# KiCad board Leopold Replacement.kicad_pcb (continued)
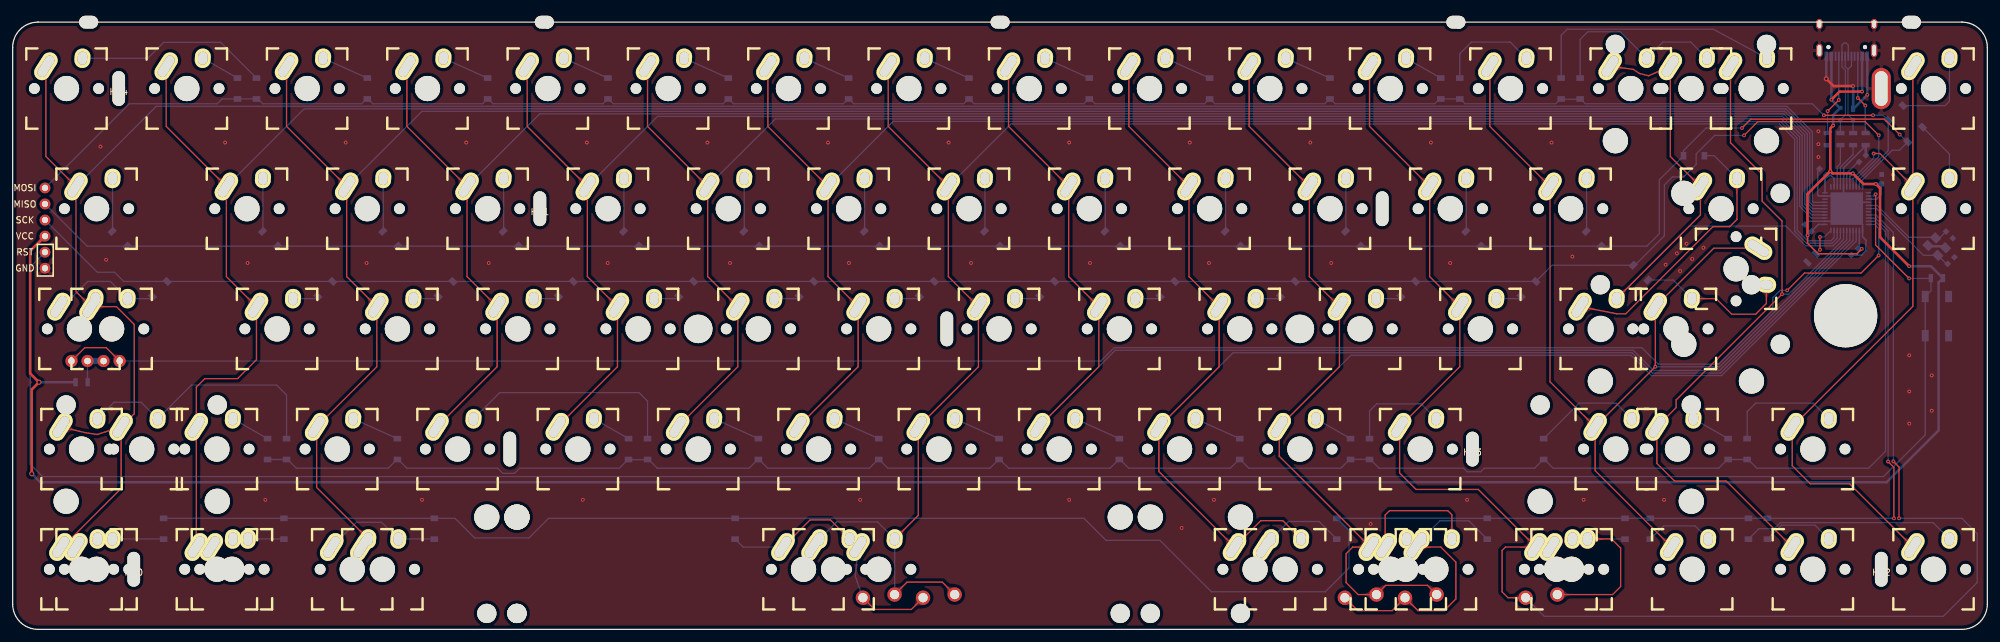
[diagram p0: board, top side]
## Copper pours and planes (outline as drawn; the poured copper is in the pictures) (continued)
Net-(D32-Pad2) on Bottom: 151.16,32.38 151.06,32.42 150.98,32.47 150.9,32.51 150.82,32.56 150.75,32.61 150.69,32.66 150.64,32.71 150.59,32.76 150.54,32.81 150.5,32.86 150.47,32.91 150.43,32.96 150.4,33.02 150.37,33.07 150.16,33.55 150.13,33.62 150.09,33.68 150.05,33.75 150.01,33.82 149.97,33.89 149.92,33.96 149.87,34.03 149.81,34.11 148.28,33.56 148.88,32.06 148.98,32.06 149.07,32.07 149.16,32.08 149.24,32.09 149.32,32.11 149.39,32.12 149.46,32.14 149.53,32.16 150.03,32.32 150.09,32.34 150.15,32.35 150.22,32.36 150.28,32.36 150.35,32.37 150.41,32.37 150.49,32.36 150.56,32.35 150.63,32.34 150.71,32.32 150.8,32.3 150.89,32.27 150.98,32.23 151.08,32.19
Net-(D33-Pad2) on Bottom: 165.42,89.41 165.32,89.45 165.23,89.5 165.15,89.54 165.08,89.59 165.01,89.64 164.95,89.69 164.9,89.74 164.85,89.79 164.8,89.84 164.76,89.89 164.72,89.94 164.69,89.99 164.66,90.05 164.63,90.1 164.41,90.58 164.38,90.65 164.35,90.71 164.31,90.78 164.27,90.85 164.23,90.92 164.18,90.99 164.12,91.06 164.06,91.14 162.53,90.59 163.14,89.09 163.24,89.09 163.33,89.1 163.41,89.11 163.5,89.12 163.57,89.14 163.65,89.15 163.72,89.17 163.79,89.19 164.29,89.35 164.35,89.37 164.41,89.38 164.47,89.39 164.54,89.39 164.6,89.4 164.67,89.4 164.74,89.39 164.82,89.38 164.89,89.37 164.97,89.35 165.06,89.33 165.14,89.3 165.24,89.26 165.34,89.22
Net-(D34-Pad2) on Bottom: 172.71,68.84 172.71,68.94 172.72,69.04 172.73,69.13 172.74,69.22 172.76,69.3 172.78,69.38 172.8,69.45 172.82,69.51 172.85,69.57 172.88,69.63 172.91,69.69 172.95,69.74 172.98,69.79 173.02,69.84 173.37,70.23 173.42,70.29 173.46,70.35 173.51,70.41 173.56,70.47 173.6,70.54 173.65,70.62 173.69,70.7 173.74,70.78 172.61,71.95 171.49,70.78 171.53,70.7 171.57,70.62 171.62,70.54 171.66,70.47 171.71,70.41 171.76,70.35 171.8,70.29 171.85,70.23 172.2,69.84 172.24,69.79 172.27,69.74 172.31,69.69 172.34,69.63 172.37,69.57 172.4,69.51 172.42,69.45 172.44,69.38 172.46,69.3 172.48,69.22 172.49,69.13 172.5,69.04 172.51,68.94 172.51,68.84
Net-(D35-Pad2) on Bottom: 179.85,52.42 179.75,52.42 179.65,52.42 179.55,52.43 179.47,52.45 179.39,52.46 179.31,52.48 179.24,52.5 179.18,52.53 179.11,52.56 179.06,52.59 179,52.62 178.95,52.65 178.9,52.69 178.85,52.73 178.46,53.08 178.4,53.12 178.34,53.17 178.28,53.22 178.22,53.26 178.15,53.31 178.07,53.35 177.99,53.4 177.91,53.44 176.74,52.32 177.91,51.19 177.99,51.23 178.07,51.28 178.15,51.32 178.22,51.37 178.28,51.41 178.34,51.46 178.4,51.51 178.46,51.55 178.85,51.9 178.9,51.94 178.95,51.98 179,52.01 179.06,52.04 179.11,52.07 179.18,52.1 179.24,52.13 179.31,52.15 179.39,52.17 179.47,52.19 179.55,52.2 179.65,52.21 179.75,52.21 179.85,52.22
Net-(D36-Pad2) on Bottom: 170.17,32.38 170.07,32.42 169.99,32.47 169.91,32.51 169.83,32.56 169.76,32.61 169.7,32.66 169.65,32.71 169.6,32.76 169.55,32.81 169.51,32.86 169.48,32.91 169.44,32.96 169.41,33.02 169.38,33.07 169.17,33.55 169.14,33.62 169.1,33.68 169.06,33.75 169.02,33.82 168.98,33.89 168.93,33.96 168.88,34.03 168.82,34.11 167.29,33.56 167.89,32.06 167.99,32.06 168.08,32.07 168.17,32.08 168.25,32.09 168.33,32.11 168.4,32.12 168.47,32.14 168.54,32.16 169.04,32.32 169.1,32.34 169.16,32.35 169.23,32.36 169.29,32.36 169.36,32.37 169.42,32.37 169.5,32.36 169.57,32.35 169.64,32.34 169.72,32.32 169.81,32.3 169.9,32.27 169.99,32.23 170.09,32.19
Net-(D37-Pad2) on Bottom: 184.43,89.41 184.33,89.45 184.24,89.5 184.16,89.54 184.09,89.59 184.02,89.64 183.96,89.69 183.91,89.74 183.86,89.79 183.81,89.84 183.77,89.89 183.73,89.94 183.7,89.99 183.67,90.05 183.64,90.1 183.42,90.58 183.39,90.65 183.36,90.71 183.32,90.78 183.28,90.85 183.24,90.92 183.19,90.99 183.13,91.06 183.07,91.14 181.54,90.59 182.15,89.09 182.25,89.09 182.34,89.1 182.42,89.11 182.51,89.12 182.58,89.14 182.66,89.15 182.73,89.17 182.8,89.19 183.3,89.35 183.36,89.37 183.42,89.38 183.48,89.39 183.55,89.39 183.61,89.4 183.68,89.4 183.75,89.39 183.83,89.38 183.9,89.37 183.98,89.35 184.07,89.33 184.15,89.3 184.25,89.26 184.35,89.22
Net-(D38-Pad2) on Bottom: 191.72,68.84 191.72,68.94 191.73,69.04 191.74,69.13 191.75,69.22 191.77,69.3 191.79,69.38 191.81,69.45 191.83,69.51 191.86,69.57 191.89,69.63 191.92,69.69 191.96,69.74 191.99,69.79 192.03,69.84 192.38,70.23 192.43,70.29 192.47,70.35 192.52,70.41 192.57,70.47 192.61,70.54 192.66,70.62 192.7,70.7 192.75,70.78 191.62,71.95 190.5,70.78 190.54,70.7 190.58,70.62 190.63,70.54 190.67,70.47 190.72,70.41 190.77,70.35 190.81,70.29 190.86,70.23 191.21,69.84 191.25,69.79 191.28,69.74 191.32,69.69 191.35,69.63 191.38,69.57 191.41,69.51 191.43,69.45 191.45,69.38 191.47,69.3 191.49,69.22 191.5,69.13 191.51,69.04 191.52,68.94 191.52,68.84
Net-(D39-Pad2) on Bottom: 198.86,52.42 198.76,52.42 198.66,52.42 198.56,52.43 198.48,52.45 198.4,52.46 198.32,52.48 198.25,52.5 198.19,52.53 198.12,52.56 198.07,52.59 198.01,52.62 197.96,52.65 197.91,52.69 197.86,52.73 197.47,53.08 197.41,53.12 197.35,53.17 197.29,53.22 197.23,53.26 197.16,53.31 197.08,53.35 197,53.4 196.92,53.44 195.75,52.32 196.92,51.19 197,51.23 197.08,51.28 197.16,51.32 197.23,51.37 197.29,51.41 197.35,51.46 197.41,51.51 197.47,51.55 197.86,51.9 197.91,51.94 197.96,51.98 198.01,52.01 198.07,52.04 198.12,52.07 198.19,52.1 198.25,52.13 198.32,52.15 198.4,52.17 198.48,52.19 198.56,52.2 198.66,52.21 198.76,52.21 198.86,52.22
Net-(D40-Pad2) on Bottom: 189.18,32.38 189.08,32.42 189,32.47 188.92,32.51 188.84,32.56 188.77,32.61 188.71,32.66 188.66,32.71 188.61,32.76 188.56,32.81 188.52,32.86 188.49,32.91 188.45,32.96 188.42,33.02 188.39,33.07 188.18,33.55 188.15,33.62 188.11,33.68 188.07,33.75 188.03,33.82 187.99,33.89 187.94,33.96 187.89,34.03 187.83,34.11 186.3,33.56 186.9,32.06 187,32.06 187.09,32.07 187.18,32.08 187.26,32.09 187.34,32.11 187.41,32.12 187.48,32.14 187.55,32.16 188.05,32.32 188.11,32.34 188.17,32.35 188.24,32.36 188.3,32.36 188.37,32.37 188.43,32.37 188.51,32.36 188.58,32.35 188.65,32.34 188.73,32.32 188.82,32.3 188.91,32.27 189,32.23 189.1,32.19
Net-(D41-Pad2) on Bottom: 203.44,89.41 203.34,89.45 203.25,89.5 203.17,89.54 203.1,89.59 203.03,89.64 202.97,89.69 202.92,89.74 202.87,89.79 202.82,89.84 202.78,89.89 202.74,89.94 202.71,89.99 202.68,90.05 202.65,90.1 202.43,90.58 202.4,90.65 202.37,90.71 202.33,90.78 202.29,90.85 202.25,90.92 202.2,90.99 202.14,91.06 202.08,91.14 200.55,90.59 201.16,89.09 201.26,89.09 201.35,89.1 201.43,89.11 201.52,89.12 201.59,89.14 201.67,89.15 201.74,89.17 201.81,89.19 202.31,89.35 202.37,89.37 202.43,89.38 202.49,89.39 202.56,89.39 202.62,89.4 202.69,89.4 202.76,89.39 202.84,89.38 202.91,89.37 202.99,89.35 203.08,89.33 203.16,89.3 203.26,89.26 203.36,89.22
Net-(D42-Pad2) on Bottom: 210.73,68.84 210.73,68.94 210.74,69.04 210.75,69.13 210.76,69.22 210.78,69.3 210.8,69.38 210.82,69.45 210.84,69.51 210.87,69.57 210.9,69.63 210.93,69.69 210.97,69.74 211,69.79 211.04,69.84 211.39,70.23 211.44,70.29 211.48,70.35 211.53,70.41 211.58,70.47 211.62,70.54 211.67,70.62 211.71,70.7 211.75,70.78 210.63,71.95 209.5,70.78 209.55,70.7 209.59,70.62 209.64,70.54 209.68,70.47 209.73,70.41 209.78,70.35 209.82,70.29 209.87,70.23 210.22,69.84 210.26,69.79 210.29,69.74 210.33,69.69 210.36,69.63 210.39,69.57 210.42,69.51 210.44,69.45 210.46,69.38 210.48,69.3 210.5,69.22 210.51,69.13 210.52,69.04 210.53,68.94 210.53,68.84
Net-(D43-Pad2) on Bottom: 217.87,52.42 217.77,52.42 217.67,52.42 217.57,52.43 217.49,52.45 217.41,52.46 217.33,52.48 217.26,52.5 217.2,52.53 217.13,52.56 217.08,52.59 217.02,52.62 216.97,52.65 216.92,52.69 216.87,52.73 216.48,53.08 216.42,53.12 216.36,53.17 216.3,53.22 216.24,53.26 216.17,53.31 216.09,53.35 216.01,53.4 215.93,53.44 214.76,52.32 215.93,51.19 216.01,51.23 216.09,51.28 216.17,51.32 216.24,51.37 216.3,51.41 216.36,51.46 216.42,51.51 216.48,51.55 216.87,51.9 216.92,51.94 216.97,51.98 217.02,52.01 217.08,52.04 217.13,52.07 217.2,52.1 217.26,52.13 217.33,52.15 217.41,52.17 217.49,52.19 217.57,52.2 217.67,52.21 217.77,52.21 217.87,52.22
Net-(D44-Pad2) on Bottom: 208.09,32.16 208,32.21 207.91,32.26 207.84,32.32 207.77,32.37 207.71,32.43 207.65,32.48 207.6,32.53 207.56,32.59 207.52,32.64 207.48,32.7 207.45,32.75 207.42,32.81 207.39,32.87 207.37,32.93 207.2,33.42 207.18,33.49 207.15,33.56 207.12,33.63 207.09,33.7 207.05,33.78 207.01,33.85 206.96,33.93 206.91,34.01 205.34,33.62 205.79,32.06 205.89,32.05 205.98,32.05 206.06,32.05 206.15,32.06 206.23,32.07 206.3,32.08 206.38,32.09 206.45,32.1 206.96,32.21 207.02,32.22 207.08,32.22 207.15,32.23 207.21,32.23 207.28,32.23 207.35,32.22 207.42,32.21 207.49,32.19 207.56,32.17 207.64,32.15 207.72,32.11 207.81,32.08 207.9,32.03 207.99,31.98
Net-(D45-Pad2) on Bottom: 222.35,89.19 222.25,89.24 222.17,89.29 222.1,89.35 222.03,89.4 221.97,89.46 221.91,89.51 221.86,89.56 221.81,89.62 221.77,89.67 221.74,89.73 221.71,89.78 221.68,89.84 221.65,89.9 221.63,89.96 221.46,90.45 221.44,90.52 221.41,90.59 221.38,90.66 221.35,90.73 221.31,90.81 221.27,90.88 221.22,90.96 221.17,91.04 219.59,90.65 220.05,89.09 220.14,89.08 220.24,89.08 220.32,89.08 220.41,89.09 220.48,89.1 220.56,89.11 220.63,89.12 220.71,89.13 221.22,89.24 221.28,89.25 221.34,89.25 221.41,89.26 221.47,89.26 221.54,89.26 221.6,89.25 221.67,89.24 221.75,89.22 221.82,89.2 221.9,89.18 221.98,89.14 222.06,89.11 222.15,89.06 222.25,89.01
Net-(D46-Pad2) on Bottom: 229.74,68.84 229.74,68.94 229.75,69.04 229.76,69.13 229.77,69.22 229.79,69.3 229.81,69.38 229.83,69.45 229.85,69.51 229.88,69.57 229.91,69.63 229.94,69.69 229.98,69.74 230.01,69.79 230.05,69.84 230.4,70.23 230.45,70.29 230.49,70.35 230.54,70.41 230.59,70.47 230.63,70.54 230.68,70.62 230.72,70.7 230.76,70.78 229.64,71.95 228.51,70.78 228.56,70.7 228.6,70.62 228.65,70.54 228.69,70.47 228.74,70.41 228.79,70.35 228.83,70.29 228.88,70.23 229.23,69.84 229.27,69.79 229.3,69.74 229.34,69.69 229.37,69.63 229.4,69.57 229.43,69.51 229.45,69.45 229.47,69.38 229.49,69.3 229.51,69.22 229.52,69.13 229.53,69.04 229.54,68.94 229.54,68.84
Net-(D47-Pad2) on Bottom: 236.88,52.42 236.78,52.42 236.68,52.42 236.58,52.43 236.5,52.45 236.42,52.46 236.34,52.48 236.27,52.5 236.21,52.53 236.14,52.56 236.09,52.59 236.03,52.62 235.98,52.65 235.93,52.69 235.88,52.73 235.49,53.08 235.43,53.12 235.37,53.17 235.31,53.22 235.25,53.26 235.18,53.31 235.1,53.35 235.02,53.4 234.94,53.44 233.77,52.32 234.94,51.19 235.02,51.23 235.1,51.28 235.18,51.32 235.25,51.37 235.31,51.41 235.37,51.46 235.43,51.51 235.49,51.55 235.88,51.9 235.93,51.94 235.98,51.98 236.03,52.01 236.09,52.04 236.14,52.07 236.21,52.1 236.27,52.13 236.34,52.15 236.42,52.17 236.5,52.19 236.58,52.2 236.68,52.21 236.78,52.21 236.88,52.22
Net-(D48-Pad2) on Bottom: 223.06,35 223.13,34.92 223.2,34.84 223.25,34.77 223.31,34.7 223.35,34.63 223.39,34.57 223.43,34.5 223.45,34.44 223.48,34.37 223.5,34.31 223.52,34.25 223.53,34.19 223.54,34.12 223.55,34.06 223.58,33.54 223.58,33.47 223.59,33.39 223.6,33.32 223.61,33.24 223.63,33.16 223.65,33.07 223.68,32.99 223.71,32.9 225.33,32.86 225.3,34.49 225.21,34.52 225.12,34.54 225.03,34.56 224.95,34.58 224.87,34.59 224.8,34.6 224.72,34.61 224.65,34.62 224.13,34.65 224.07,34.65 224.01,34.66 223.94,34.68 223.88,34.69 223.82,34.71 223.76,34.74 223.69,34.77 223.63,34.8 223.56,34.84 223.49,34.89 223.42,34.94 223.35,35 223.27,35.06 223.2,35.14
Net-(D49-Pad2) on Bottom: 237.31,92.03 237.39,91.95 237.45,91.87 237.51,91.8 237.56,91.73 237.61,91.66 237.65,91.6 237.68,91.53 237.71,91.47 237.74,91.4 237.76,91.34 237.77,91.28 237.79,91.22 237.8,91.15 237.8,91.09 237.83,90.57 237.84,90.5 237.85,90.42 237.86,90.35 237.87,90.27 237.89,90.19 237.91,90.1 237.93,90.02 237.96,89.93 239.59,89.89 239.56,91.52 239.46,91.55 239.38,91.57 239.29,91.59 239.21,91.61 239.13,91.62 239.06,91.63 238.98,91.64 238.91,91.65 238.39,91.68 238.33,91.68 238.26,91.69 238.2,91.71 238.14,91.72 238.08,91.74 238.01,91.77 237.95,91.8 237.88,91.83 237.82,91.87 237.75,91.92 237.68,91.97 237.61,92.03 237.53,92.09 237.46,92.17
Net-(D50-Pad2) on Bottom: 248.75,68.84 248.75,68.94 248.76,69.04 248.77,69.13 248.78,69.22 248.8,69.3 248.82,69.38 248.84,69.45 248.86,69.51 248.89,69.57 248.92,69.63 248.95,69.69 248.99,69.74 249.02,69.79 249.06,69.84 249.41,70.23 249.46,70.29 249.5,70.35 249.55,70.41 249.6,70.47 249.64,70.54 249.69,70.62 249.73,70.7 249.78,70.78 248.65,71.95 247.53,70.78 247.57,70.7 247.61,70.62 247.66,70.54 247.7,70.47 247.75,70.41 247.8,70.35 247.84,70.29 247.89,70.23 248.24,69.84 248.28,69.79 248.31,69.74 248.35,69.69 248.38,69.63 248.41,69.57 248.44,69.51 248.46,69.45 248.48,69.38 248.5,69.3 248.52,69.22 248.53,69.13 248.54,69.04 248.55,68.94 248.55,68.84
Net-(D51-Pad2) on Top: 267.77,52.42 267.67,52.42 267.57,52.42 267.48,52.43 267.39,52.45 267.31,52.46 267.23,52.48 267.16,52.5 267.1,52.53 267.04,52.56 266.98,52.59 266.92,52.62 266.87,52.65 266.82,52.69 266.77,52.73 266.38,53.08 266.32,53.12 266.26,53.17 266.2,53.22 266.14,53.26 266.07,53.31 265.99,53.35 265.91,53.4 265.83,53.44 264.66,52.32 265.83,51.19 265.91,51.23 265.99,51.28 266.07,51.32 266.14,51.37 266.2,51.41 266.26,51.46 266.32,51.51 266.38,51.55 266.77,51.9 266.82,51.94 266.87,51.98 266.92,52.01 266.98,52.04 267.04,52.07 267.1,52.1 267.16,52.13 267.23,52.15 267.31,52.17 267.39,52.19 267.48,52.2 267.57,52.21 267.67,52.21 267.77,52.22
Net-(D51-Pad2) on Top: 277.16,52.02 277.16,52.13 277.17,52.23 277.18,52.32 277.19,52.4 277.21,52.48 277.22,52.56 277.25,52.63 277.27,52.7 277.3,52.76 277.33,52.82 277.36,52.87 277.4,52.93 277.43,52.98 277.47,53.03 277.82,53.42 277.87,53.47 277.91,53.53 277.96,53.59 278.01,53.66 278.05,53.73 278.1,53.8 278.14,53.88 278.18,53.97 277.06,55.14 275.93,53.97 275.98,53.88 276.02,53.8 276.07,53.73 276.11,53.66 276.16,53.59 276.2,53.53 276.25,53.47 276.3,53.42 276.65,53.03 276.68,52.98 276.72,52.93 276.76,52.87 276.79,52.82 276.82,52.76 276.85,52.7 276.87,52.63 276.89,52.56 276.91,52.48 276.93,52.4 276.94,52.32 276.95,52.23 276.96,52.13 276.96,52.02
Net-(D51-Pad2) on Bottom: 263.45,54.01 263.53,53.93 263.59,53.85 263.65,53.78 263.7,53.71 263.75,53.64 263.79,53.58 263.82,53.51 263.85,53.45 263.88,53.38 263.9,53.32 263.91,53.26 263.92,53.2 263.94,53.13 263.94,53.07 263.97,52.55 263.98,52.48 263.99,52.4 264,52.33 264.01,52.25 264.03,52.17 264.05,52.08 264.07,52 264.1,51.91 265.73,51.87 265.69,53.5 265.6,53.53 265.52,53.55 265.43,53.57 265.35,53.59 265.27,53.6 265.2,53.61 265.12,53.62 265.05,53.63 264.53,53.66 264.46,53.66 264.4,53.67 264.34,53.69 264.28,53.7 264.22,53.72 264.15,53.75 264.09,53.78 264.02,53.81 263.96,53.85 263.89,53.9 263.82,53.95 263.74,54.01 263.67,54.07 263.59,54.15
Net-(D52-Pad2) on Bottom: 253.95,35 254.02,34.92 254.09,34.84 254.15,34.77 254.2,34.7 254.24,34.63 254.28,34.57 254.32,34.5 254.35,34.44 254.37,34.37 254.39,34.31 254.41,34.25 254.42,34.19 254.43,34.12 254.44,34.06 254.47,33.54 254.47,33.47 254.48,33.39 254.49,33.32 254.51,33.24 254.52,33.16 254.54,33.07 254.57,32.99 254.6,32.9 256.22,32.86 256.19,34.49 256.1,34.52 256.01,34.54 255.93,34.56 255.85,34.58 255.77,34.59 255.69,34.6 255.62,34.61 255.54,34.62 255.02,34.65 254.96,34.65 254.9,34.66 254.84,34.68 254.77,34.69 254.71,34.71 254.65,34.74 254.58,34.77 254.52,34.8 254.45,34.84 254.38,34.89 254.31,34.94 254.24,35 254.17,35.06 254.09,35.14
Net-(D53-Pad2) on Bottom: 265.83,92.03 265.9,91.95 265.97,91.87 266.03,91.8 266.08,91.73 266.12,91.66 266.16,91.6 266.2,91.53 266.23,91.47 266.25,91.4 266.27,91.34 266.29,91.28 266.3,91.22 266.31,91.15 266.32,91.09 266.35,90.57 266.35,90.5 266.36,90.42 266.37,90.35 266.39,90.27 266.4,90.19 266.42,90.1 266.45,90.02 266.48,89.93 268.1,89.89 268.07,91.52 267.98,91.55 267.89,91.57 267.81,91.59 267.73,91.61 267.65,91.62 267.57,91.63 267.5,91.64 267.43,91.65 266.9,91.68 266.84,91.68 266.78,91.69 266.72,91.71 266.65,91.72 266.59,91.74 266.53,91.77 266.46,91.8 266.4,91.83 266.33,91.87 266.26,91.92 266.19,91.97 266.12,92.03 266.05,92.09 265.97,92.17
Net-(D53-Pad2) on Bottom: 256.32,92.03 256.4,91.95 256.46,91.87 256.52,91.8 256.57,91.73 256.62,91.66 256.66,91.6 256.69,91.53 256.72,91.47 256.75,91.4 256.77,91.34 256.78,91.28 256.8,91.22 256.81,91.15 256.81,91.09 256.84,90.57 256.85,90.5 256.86,90.42 256.87,90.35 256.88,90.27 256.9,90.19 256.92,90.1 256.94,90.02 256.97,89.93 258.6,89.89 258.57,91.52 258.47,91.55 258.39,91.57 258.3,91.59 258.22,91.61 258.14,91.62 258.07,91.63 257.99,91.64 257.92,91.65 257.4,91.68 257.34,91.68 257.27,91.69 257.21,91.71 257.15,91.72 257.09,91.74 257.02,91.77 256.96,91.8 256.89,91.83 256.83,91.87 256.76,91.92 256.69,91.97 256.62,92.03 256.54,92.09 256.47,92.17
Net-(D53-Pad2) on Bottom: 259.84,92.17 259.77,92.09 259.69,92.03 259.62,91.97 259.55,91.92 259.48,91.87 259.42,91.83 259.35,91.8 259.29,91.77 259.22,91.74 259.16,91.72 259.1,91.71 259.04,91.69 258.97,91.68 258.91,91.68 258.39,91.65 258.32,91.64 258.24,91.63 258.17,91.62 258.09,91.61 258.01,91.59 257.92,91.57 257.84,91.55 257.74,91.52 257.71,89.89 259.34,89.93 259.37,90.02 259.39,90.1 259.41,90.19 259.43,90.27 259.44,90.35 259.45,90.42 259.46,90.5 259.47,90.57 259.5,91.09 259.5,91.15 259.51,91.22 259.53,91.28 259.54,91.34 259.56,91.4 259.59,91.47 259.62,91.53 259.65,91.6 259.69,91.66 259.74,91.73 259.79,91.8 259.85,91.87 259.91,91.95 259.99,92.03
Net-(D54-Pad2) on Top: 250.09,50.67 249.99,50.69 249.89,50.71 249.8,50.74 249.72,50.77 249.64,50.8 249.57,50.83 249.51,50.87 249.45,50.91 249.39,50.95 249.34,50.99 249.29,51.03 249.25,51.07 249.2,51.12 249.16,51.17 248.85,51.58 248.8,51.64 248.75,51.7 248.7,51.75 248.65,51.81 248.59,51.87 248.52,51.93 248.45,51.99 248.38,52.05 247.01,51.17 247.95,49.84 248.04,49.86 248.12,49.89 248.21,49.92 248.28,49.95 248.36,49.99 248.43,50.02 248.49,50.05 248.55,50.09 249,50.36 249.06,50.38 249.12,50.41 249.18,50.43 249.24,50.46 249.3,50.47 249.37,50.49 249.44,50.5 249.51,50.51 249.59,50.51 249.67,50.51 249.76,50.51 249.85,50.5 249.95,50.49 250.05,50.47
Net-(D54-Pad2) on Top: 272.51,68.84 272.51,68.94 272.52,69.04 272.53,69.13 272.54,69.22 272.56,69.3 272.58,69.38 272.6,69.45 272.62,69.51 272.65,69.57 272.68,69.63 272.72,69.69 272.75,69.74 272.79,69.79 272.82,69.84 273.17,70.23 273.22,70.29 273.27,70.35 273.31,70.41 273.36,70.47 273.4,70.54 273.45,70.62 273.49,70.7 273.54,70.78 272.41,71.95 271.29,70.78 271.33,70.7 271.37,70.62 271.42,70.54 271.47,70.47 271.51,70.41 271.56,70.35 271.6,70.29 271.65,70.23 272,69.84 272.04,69.79 272.07,69.74 272.11,69.69 272.14,69.63 272.17,69.57 272.2,69.51 272.22,69.45 272.25,69.38 272.27,69.3 272.28,69.22 272.29,69.13 272.3,69.04 272.31,68.94 272.31,68.84
Net-(D54-Pad2) on Bottom: 270.58,73.02 270.65,72.94 270.72,72.86 270.78,72.79 270.83,72.72 270.88,72.65 270.92,72.59 270.95,72.52 270.98,72.46 271,72.39 271.02,72.33 271.04,72.27 271.05,72.21 271.06,72.14 271.07,72.08 271.1,71.56 271.11,71.49 271.11,71.41 271.13,71.34 271.14,71.26 271.16,71.18 271.18,71.09 271.2,71.01 271.23,70.92 272.85,70.88 272.82,72.51 272.73,72.54 272.64,72.56 272.56,72.58 272.48,72.6 272.4,72.61 272.32,72.62 272.25,72.63 272.18,72.64 271.65,72.67 271.59,72.67 271.53,72.68 271.47,72.7 271.41,72.71 271.34,72.73 271.28,72.76 271.22,72.79 271.15,72.82 271.08,72.86 271.01,72.91 270.94,72.96 270.87,73.02 270.8,73.08 270.72,73.16
Net-(D55-Pad1) on Top: 15.49,43.72 15.54,43.66 15.59,43.61 15.64,43.55 15.68,43.5 15.71,43.45 15.74,43.4 15.77,43.35 15.79,43.3 15.81,43.25 15.83,43.2 15.84,43.15 15.92,42.45 15.93,42.39 15.95,42.33 15.96,42.27 15.98,42.2 16,42.13 17.24,42.11 17.22,43.35 17.15,43.37 17.08,43.39 17.02,43.4 16.96,43.42 16.9,43.43 16.19,43.51 16.15,43.52 16.1,43.54 16.05,43.55 16,43.58 15.95,43.6 15.9,43.64 15.85,43.67 15.8,43.71 15.74,43.75 15.69,43.81 15.63,43.86
Net-(D55-Pad1) on Top: 10.56,43.86 10.5,43.81 10.44,43.75 10.39,43.71 10.34,43.67 10.28,43.64 10.23,43.6 10.18,43.58 10.14,43.55 10.09,43.54 10.04,43.52 9.99,43.51 9.29,43.43 9.23,43.42 9.17,43.4 9.11,43.39 9.04,43.37 8.97,43.35 8.95,42.11 10.18,42.13 10.21,42.2 10.23,42.27 10.24,42.33 10.25,42.39 10.27,42.45 10.34,43.15 10.36,43.2 10.37,43.25 10.39,43.3 10.42,43.35 10.44,43.4 10.47,43.45 10.51,43.5 10.55,43.55 10.59,43.61 10.64,43.66 10.7,43.72
Net-(D55-Pad1) on Bottom: 18.81,42.55 18.73,42.55 18.65,42.55 18.58,42.56 18.51,42.57 18.45,42.58 18.4,42.59 18.34,42.61 18.29,42.63 18.24,42.65 18.2,42.67 18.16,42.69 17.6,43.13 17.55,43.17 17.5,43.2 17.44,43.24 17.38,43.27 17.32,43.3 16.43,42.45 17.32,41.59 17.38,41.62 17.44,41.65 17.5,41.69 17.55,41.72 17.6,41.76 18.16,42.2 18.2,42.22 18.24,42.24 18.29,42.26 18.34,42.28 18.4,42.3 18.45,42.31 18.51,42.32 18.58,42.33 18.65,42.34 18.73,42.34 18.81,42.35
Net-(D55-Pad2) on Bottom: 13.73,42.95 12.24,43.3 11.35,42.45 12.24,41.59 13.73,41.95
Net-(D55-Pad2) on Bottom: 11.92,40.54 11.93,40.62 11.93,40.7 11.94,40.77 11.95,40.83 11.96,40.9 11.97,40.95 11.99,41.01 12.01,41.06 12.03,41.11 12.05,41.15 12.07,41.19 12.51,41.75 12.55,41.8 12.58,41.85 12.62,41.91 12.65,41.97 12.68,42.03 11.82,42.92 10.97,42.03 11,41.97 11.03,41.91 11.07,41.85 11.1,41.8 11.13,41.75 11.58,41.19 11.6,41.15 11.62,41.11 11.64,41.06 11.66,41.01 11.68,40.95 11.69,40.9 11.7,40.83 11.71,40.77 11.72,40.7 11.72,40.62 11.72,40.54
Net-(D55-Pad2) on Bottom: 12.46,41.95 13.95,41.59 14.84,42.45 13.95,43.3 12.46,42.95
Net-(D56-Pad2) on Bottom: 285.09,35 285.16,34.92 285.23,34.84 285.29,34.77 285.34,34.7 285.38,34.63 285.42,34.57 285.46,34.5 285.49,34.44 285.51,34.37 285.53,34.31 285.55,34.25 285.56,34.19 285.57,34.12 285.58,34.06 285.61,33.54 285.61,33.47 285.62,33.39 285.63,33.32 285.65,33.24 285.66,33.16 285.68,33.07 285.71,32.99 285.74,32.9 287.36,32.86 287.33,34.49 287.24,34.52 287.15,34.54 287.07,34.56 286.99,34.58 286.91,34.59 286.83,34.6 286.76,34.61 286.69,34.62 286.16,34.65 286.1,34.65 286.04,34.66 285.98,34.68 285.91,34.69 285.85,34.71 285.79,34.74 285.72,34.77 285.66,34.8 285.59,34.84 285.52,34.89 285.45,34.94 285.38,35 285.31,35.06 285.23,35.14
Net-(D57-Pad2) on Bottom: 274.93,91.43 275.02,91.38 275.1,91.33 275.18,91.27 275.25,91.22 275.31,91.17 275.37,91.12 275.42,91.06 275.47,91.01 275.51,90.96 275.55,90.9 275.58,90.85 275.61,90.79 275.64,90.73 275.66,90.68 275.84,90.19 275.87,90.12 275.9,90.05 275.93,89.98 275.96,89.91 276,89.83 276.05,89.76 276.1,89.68 276.15,89.6 277.71,90.04 277.22,91.58 277.12,91.59 277.03,91.59 276.95,91.58 276.86,91.57 276.78,91.56 276.71,91.55 276.64,91.54 276.56,91.53 276.06,91.4 275.99,91.39 275.93,91.39 275.87,91.38 275.8,91.38 275.74,91.38 275.67,91.38 275.6,91.39 275.53,91.41 275.45,91.43 275.37,91.45 275.29,91.48 275.21,91.52 275.12,91.56 275.02,91.61
Net-(D58-Pad2) on Bottom: 267.74,32.16 267.65,32.21 267.57,32.26 267.49,32.32 267.43,32.37 267.36,32.43 267.31,32.48 267.26,32.53 267.21,32.59 267.17,32.64 267.14,32.7 267.11,32.75 267.08,32.81 267.05,32.87 267.03,32.93 266.86,33.42 266.84,33.49 266.81,33.56 266.78,33.63 266.74,33.7 266.71,33.78 266.67,33.85 266.62,33.93 266.57,34.01 264.99,33.62 265.45,32.06 265.54,32.05 265.63,32.05 265.72,32.05 265.8,32.06 265.88,32.07 265.96,32.08 266.03,32.09 266.1,32.1 266.62,32.21 266.68,32.22 266.74,32.22 266.8,32.23 266.87,32.23 266.93,32.23 267,32.22 267.07,32.21 267.14,32.19 267.22,32.17 267.3,32.15 267.38,32.11 267.46,32.08 267.55,32.03 267.65,31.98
Net-(D59-Pad2) on Bottom: 18.27,14.4 18.16,14.4 18.06,14.4 17.97,14.41 17.88,14.43 17.8,14.44 17.73,14.46 17.66,14.48 17.59,14.51 17.53,14.54 17.47,14.57 17.41,14.6 17.36,14.63 17.31,14.67 17.26,14.71 16.87,15.06 16.82,15.1 16.76,15.15 16.7,15.2 16.63,15.24 16.56,15.29 16.49,15.33 16.41,15.38 16.32,15.42 15.15,14.3 16.32,13.17 16.41,13.21 16.49,13.26 16.56,13.3 16.63,13.35 16.7,13.39 16.76,13.44 16.82,13.49 16.87,13.53 17.26,13.88 17.31,13.92 17.36,13.96 17.41,13.99 17.47,14.02 17.53,14.05 17.59,14.08 17.66,14.11 17.73,14.13 17.8,14.15 17.88,14.17 17.97,14.18 18.06,14.19 18.16,14.19 18.27,14.2
Net-(D60-Pad2) on Bottom: 39.65,14.4 39.55,14.4 39.45,14.4 39.36,14.41 39.27,14.43 39.19,14.44 39.11,14.46 39.04,14.48 38.98,14.51 38.92,14.54 38.86,14.57 38.8,14.6 38.75,14.63 38.7,14.67 38.65,14.71 38.26,15.06 38.2,15.1 38.14,15.15 38.08,15.2 38.02,15.24 37.95,15.29 37.87,15.33 37.79,15.38 37.71,15.42 36.54,14.3 37.71,13.17 37.79,13.21 37.87,13.26 37.95,13.3 38.02,13.35 38.08,13.39 38.14,13.44 38.2,13.49 38.26,13.53 38.65,13.88 38.7,13.92 38.75,13.96 38.8,13.99 38.86,14.02 38.92,14.05 38.98,14.08 39.04,14.11 39.11,14.13 39.19,14.15 39.27,14.17 39.36,14.18 39.45,14.19 39.55,14.19 39.65,14.2
Net-(D61-Pad2) on Bottom: 306.08,87.85 306.08,87.95 306.09,88.05 306.1,88.14 306.11,88.23 306.13,88.31 306.15,88.39 306.17,88.46 306.19,88.52 306.22,88.58 306.25,88.64 306.28,88.7 306.32,88.75 306.35,88.8 306.39,88.85 306.74,89.24 306.79,89.3 306.83,89.36 306.88,89.42 306.93,89.48 306.97,89.55 307.02,89.63 307.06,89.71 307.11,89.79 305.98,90.96 304.86,89.79 304.9,89.71 304.94,89.63 304.99,89.55 305.03,89.48 305.08,89.42 305.13,89.36 305.17,89.3 305.22,89.24 305.57,88.85 305.61,88.8 305.64,88.75 305.68,88.7 305.71,88.64 305.74,88.58 305.77,88.52 305.79,88.46 305.81,88.39 305.83,88.31 305.85,88.23 305.86,88.14 305.87,88.05 305.88,87.95 305.88,87.85
Net-(D62-Pad2) on Bottom: 305.88,73.82 305.88,73.71 305.87,73.61 305.86,73.52 305.85,73.43 305.83,73.35 305.81,73.28 305.79,73.21 305.77,73.14 305.74,73.08 305.71,73.02 305.68,72.96 305.64,72.91 305.61,72.86 305.57,72.81 305.22,72.42 305.17,72.36 305.13,72.31 305.08,72.24 305.03,72.18 304.99,72.11 304.94,72.03 304.9,71.96 304.86,71.87 305.98,70.7 307.11,71.87 307.06,71.96 307.02,72.03 306.97,72.11 306.93,72.18 306.88,72.24 306.83,72.31 306.79,72.36 306.74,72.42 306.39,72.81 306.35,72.86 306.32,72.91 306.28,72.96 306.25,73.02 306.22,73.08 306.19,73.14 306.17,73.21 306.15,73.28 306.13,73.35 306.11,73.43 306.1,73.52 306.09,73.61 306.08,73.71 306.08,73.82
Net-(D63-Pad2) on Bottom: 52.09,14.86 52.01,14.78 51.94,14.72 51.87,14.66 51.8,14.61 51.73,14.56 51.66,14.52 51.6,14.49 51.53,14.46 51.47,14.43 51.4,14.41 51.34,14.4 51.28,14.38 51.22,14.37 51.16,14.37 50.63,14.34 50.56,14.33 50.49,14.32 50.41,14.31 50.33,14.3 50.25,14.28 50.17,14.26 50.08,14.24 49.99,14.21 49.96,12.58 51.58,12.62 51.61,12.71 51.63,12.79 51.65,12.88 51.67,12.96 51.69,13.04 51.7,13.11 51.7,13.19 51.71,13.26 51.74,13.78 51.75,13.84 51.76,13.91 51.77,13.97 51.79,14.03 51.81,14.09 51.83,14.16 51.86,14.22 51.89,14.29 51.93,14.35 51.98,14.42 52.03,14.49 52.09,14.56 52.16,14.64 52.23,14.72
Net-(D63-Pad2) on Bottom: 59.09,15.99 59.17,15.91 59.23,15.83 59.29,15.76 59.35,15.69 59.39,15.62 59.43,15.56 59.46,15.49 59.49,15.43 59.52,15.36 59.54,15.3 59.55,15.24 59.57,15.18 59.58,15.11 59.59,15.05 59.61,14.53 59.62,14.46 59.63,14.38 59.64,14.31 59.65,14.23 59.67,14.15 59.69,14.06 59.72,13.98 59.75,13.89 61.37,13.85 61.34,15.48 61.25,15.51 61.16,15.53 61.07,15.55 60.99,15.57 60.91,15.58 60.84,15.59 60.76,15.6 60.69,15.61 60.17,15.64 60.11,15.64 60.04,15.65 59.98,15.67 59.92,15.68 59.86,15.7 59.79,15.73 59.73,15.76 59.66,15.79 59.6,15.83 59.53,15.88 59.46,15.93 59.39,15.99 59.31,16.05 59.24,16.13
Net-(D63-Pad2) on Bottom: 63.42,14.4 63.31,14.4 63.21,14.4 63.12,14.41 63.03,14.43 62.95,14.44 62.88,14.46 62.81,14.48 62.74,14.51 62.68,14.54 62.62,14.57 62.56,14.6 62.51,14.63 62.46,14.67 62.41,14.71 62.02,15.06 61.96,15.1 61.91,15.15 61.85,15.2 61.78,15.24 61.71,15.29 61.64,15.33 61.56,15.38 61.47,15.42 60.3,14.3 61.47,13.17 61.56,13.21 61.64,13.26 61.71,13.3 61.78,13.35 61.85,13.39 61.91,13.44 61.96,13.49 62.02,13.53 62.41,13.88 62.46,13.92 62.51,13.96 62.56,13.99 62.62,14.02 62.68,14.05 62.74,14.08 62.81,14.11 62.88,14.13 62.95,14.15 63.03,14.17 63.12,14.18 63.21,14.19 63.31,14.19 63.42,14.2
Net-(D64-Pad2) on Bottom: 266.03,15.99 266.1,15.91 266.17,15.83 266.23,15.76 266.28,15.69 266.32,15.62 266.36,15.56 266.4,15.49 266.43,15.43 266.45,15.36 266.47,15.3 266.49,15.24 266.5,15.18 266.51,15.11 266.52,15.05 266.55,14.53 266.55,14.46 266.56,14.38 266.57,14.31 266.59,14.23 266.6,14.15 266.62,14.06 266.65,13.98 266.68,13.89 268.3,13.85 268.27,15.48 268.18,15.51 268.09,15.53 268.01,15.55 267.93,15.57 267.85,15.58 267.77,15.59 267.7,15.6 267.63,15.61 267.1,15.64 267.04,15.64 266.98,15.65 266.92,15.67 266.85,15.68 266.79,15.7 266.73,15.73 266.66,15.76 266.6,15.79 266.53,15.83 266.46,15.88 266.39,15.93 266.32,15.99 266.25,16.05 266.17,16.13
Net-(D65-Pad2) on Bottom: 285.09,15.99 285.16,15.91 285.23,15.83 285.29,15.76 285.34,15.69 285.38,15.62 285.42,15.56 285.46,15.49 285.49,15.43 285.51,15.36 285.53,15.3 285.55,15.24 285.56,15.18 285.57,15.11 285.58,15.05 285.61,14.53 285.61,14.46 285.62,14.38 285.63,14.31 285.65,14.23 285.66,14.15 285.68,14.06 285.71,13.98 285.74,13.89 287.36,13.85 287.33,15.48 287.24,15.51 287.15,15.53 287.07,15.55 286.99,15.57 286.91,15.58 286.83,15.59 286.76,15.6 286.69,15.61 286.16,15.64 286.1,15.64 286.04,15.65 285.98,15.67 285.91,15.68 285.85,15.7 285.79,15.73 285.72,15.76 285.66,15.79 285.59,15.83 285.52,15.88 285.45,15.93 285.38,15.99 285.31,16.05 285.23,16.13
Net-(D66-Pad2) on Bottom: 304.15,15.99 304.22,15.91 304.29,15.83 304.35,15.76 304.4,15.69 304.44,15.62 304.48,15.56 304.52,15.49 304.55,15.43 304.57,15.36 304.59,15.3 304.61,15.24 304.62,15.18 304.63,15.11 304.64,15.05 304.67,14.53 304.67,14.46 304.68,14.38 304.69,14.31 304.71,14.23 304.72,14.15 304.74,14.06 304.77,13.98 304.8,13.89 306.42,13.85 306.39,15.48 306.3,15.51 306.21,15.53 306.13,15.55 306.05,15.57 305.97,15.58 305.89,15.59 305.82,15.6 305.75,15.61 305.22,15.64 305.16,15.64 305.1,15.65 305.04,15.67 304.97,15.68 304.91,15.7 304.85,15.73 304.78,15.76 304.72,15.79 304.65,15.83 304.58,15.88 304.51,15.93 304.44,15.99 304.37,16.05 304.29,16.13
Net-(D67-Pad2) on Bottom: 200.49,16.13 200.41,16.05 200.34,15.99 200.27,15.93 200.2,15.88 200.13,15.83 200.06,15.79 200,15.76 199.93,15.73 199.87,15.7 199.8,15.68 199.74,15.67 199.68,15.65 199.62,15.64 199.56,15.64 199.03,15.61 198.96,15.6 198.89,15.59 198.81,15.58 198.73,15.57 198.65,15.55 198.57,15.53 198.48,15.51 198.39,15.48 198.36,13.85 199.98,13.89 200.01,13.98 200.03,14.06 200.06,14.15 200.07,14.23 200.09,14.31 200.1,14.38 200.1,14.46 200.11,14.53 200.14,15.05 200.15,15.11 200.16,15.18 200.17,15.24 200.19,15.3 200.21,15.36 200.23,15.43 200.26,15.49 200.3,15.56 200.33,15.62 200.38,15.69 200.43,15.76 200.49,15.83 200.56,15.91 200.63,15.99
Net-(D68-Pad2) on Top: 218.45,3.35 218.52,3.41 218.59,3.47 218.65,3.53 218.71,3.57 218.78,3.61 218.84,3.65 218.89,3.68 218.95,3.71 219.01,3.73 219.07,3.75 219.12,3.76 219.18,3.78 219.23,3.79 219.82,3.83 219.89,3.84 219.96,3.85 220.03,3.86 220.1,3.87 220.18,3.89 220.25,3.92 220.34,3.94 220.36,5.4 218.9,5.37 218.88,5.29 218.86,5.21 218.84,5.14 218.82,5.07 218.81,4.99 218.8,4.93 218.79,4.86 218.75,4.27 218.74,4.21 218.73,4.16 218.71,4.1 218.69,4.05 218.67,3.99 218.64,3.93 218.61,3.87 218.58,3.81 218.53,3.75 218.49,3.69 218.43,3.62 218.38,3.56 218.31,3.49
Net-(D68-Pad2) on Top: 212.12,3.49 212.05,3.56 211.99,3.62 211.94,3.69 211.89,3.75 211.85,3.81 211.82,3.87 211.79,3.93 211.76,3.99 211.74,4.05 211.72,4.1 211.7,4.16 211.69,4.21 211.68,4.27 211.64,4.86 211.63,4.93 211.62,4.99 211.61,5.07 211.59,5.14 211.57,5.21 211.55,5.29 211.52,5.37 210.06,5.4 210.09,3.94 210.17,3.92 210.25,3.89 210.33,3.87 210.4,3.86 210.47,3.85 210.54,3.84 210.61,3.83 211.2,3.79 211.25,3.78 211.31,3.76 211.36,3.75 211.42,3.73 211.48,3.71 211.54,3.68 211.59,3.65 211.65,3.61 211.72,3.57 211.78,3.53 211.84,3.47 211.91,3.41 211.98,3.35
Net-(D68-Pad2) on Top: 224.08,13.13 223.97,13.13 223.87,13.13 223.78,13.14 223.69,13.16 223.61,13.17 223.54,13.19 223.47,13.21 223.4,13.24 223.34,13.27 223.28,13.3 223.23,13.33 223.17,13.36 223.12,13.4 223.07,13.44 222.68,13.79 222.63,13.83 222.57,13.88 222.51,13.93 222.44,13.97 222.37,14.02 222.3,14.06 222.22,14.11 222.13,14.15 220.96,13.03 222.13,11.9 222.22,11.94 222.3,11.99 222.37,12.03 222.44,12.08 222.51,12.12 222.57,12.17 222.63,12.22 222.68,12.26 223.07,12.61 223.12,12.65 223.17,12.69 223.23,12.72 223.28,12.75 223.34,12.78 223.4,12.81 223.47,12.84 223.54,12.86 223.61,12.88 223.69,12.9 223.78,12.91 223.87,12.92 223.97,12.92 224.08,12.93
Net-(D68-Pad2) on Top: 221.63,3.49 221.56,3.56 221.5,3.62 221.45,3.69 221.4,3.75 221.36,3.81 221.32,3.87 221.29,3.93 221.27,3.99 221.24,4.05 221.22,4.1 221.21,4.16 221.2,4.21 221.19,4.27 221.14,4.86 221.14,4.93 221.13,4.99 221.11,5.07 221.1,5.14 221.08,5.21 221.06,5.29 221.03,5.37 219.57,5.4 219.6,3.94 219.68,3.92 219.76,3.89 219.83,3.87 219.91,3.86 219.98,3.85 220.05,3.84 220.11,3.83 220.7,3.79 220.76,3.78 220.81,3.76 220.87,3.75 220.93,3.73 220.98,3.71 221.04,3.68 221.1,3.65 221.16,3.61 221.22,3.57 221.28,3.53 221.35,3.47 221.42,3.41 221.48,3.35
Net-(D68-Pad2) on Bottom: 224.3,16.13 224.22,16.05 224.15,15.99 224.08,15.93 224.01,15.88 223.94,15.83 223.87,15.79 223.81,15.76 223.74,15.73 223.68,15.7 223.62,15.68 223.55,15.67 223.49,15.65 223.43,15.64 223.37,15.64 222.85,15.61 222.77,15.6 222.7,15.59 222.62,15.58 222.54,15.57 222.46,15.55 222.38,15.53 222.29,15.51 222.2,15.48 222.17,13.85 223.79,13.89 223.82,13.98 223.85,14.06 223.87,14.15 223.88,14.23 223.9,14.31 223.91,14.38 223.92,14.46 223.92,14.53 223.95,15.05 223.96,15.11 223.97,15.18 223.98,15.24 224,15.3 224.02,15.36 224.04,15.43 224.07,15.49 224.11,15.56 224.15,15.62 224.19,15.69 224.24,15.76 224.3,15.83 224.37,15.91 224.44,15.99
Net-(D69-Pad2) on Top: 251.29,14.4 251.18,14.4 251.08,14.4 250.99,14.41 250.91,14.43 250.83,14.44 250.75,14.46 250.68,14.48 250.61,14.51 250.55,14.54 250.49,14.57 250.44,14.6 250.38,14.63 250.33,14.67 250.28,14.71 249.89,15.06 249.84,15.1 249.78,15.15 249.72,15.2 249.65,15.24 249.58,15.29 249.51,15.33 249.43,15.38 249.35,15.42 248.18,14.3 249.35,13.17 249.43,13.21 249.51,13.26 249.58,13.3 249.65,13.35 249.72,13.39 249.78,13.44 249.84,13.49 249.89,13.53 250.28,13.88 250.33,13.92 250.38,13.96 250.44,13.99 250.49,14.02 250.55,14.05 250.61,14.08 250.68,14.11 250.75,14.13 250.83,14.15 250.91,14.17 250.99,14.18 251.08,14.19 251.18,14.19 251.29,14.2
Net-(D69-Pad2) on Top: 246.27,5.61 246.18,5.61 246.09,5.61 246,5.62 245.93,5.63 245.85,5.65 245.79,5.66 245.72,5.68 245.66,5.71 245.61,5.73 245.55,5.76 245.5,5.79 245.46,5.82 245.41,5.85 244.96,6.23 244.91,6.28 244.85,6.32 244.8,6.36 244.73,6.4 244.67,6.44 244.59,6.48 244.52,6.52 243.47,5.51 244.52,4.49 244.59,4.53 244.67,4.57 244.73,4.61 244.8,4.65 244.85,4.69 244.91,4.74 244.96,4.78 245.41,5.16 245.46,5.19 245.5,5.23 245.55,5.25 245.61,5.28 245.66,5.31 245.72,5.33 245.79,5.35 245.85,5.36 245.93,5.38 246,5.39 246.09,5.4 246.18,5.4 246.27,5.41
Net-(D69-Pad2) on Bottom: 251.29,14.4 251.18,14.4 251.08,14.4 250.99,14.41 250.91,14.43 250.83,14.44 250.75,14.46 250.68,14.48 250.61,14.51 250.55,14.54 250.49,14.57 250.44,14.6 250.38,14.63 250.33,14.67 250.28,14.71 249.89,15.06 249.84,15.1 249.78,15.15 249.72,15.2 249.65,15.24 249.58,15.29 249.51,15.33 249.43,15.38 249.35,15.42 248.18,14.3 249.35,13.17 249.43,13.21 249.51,13.26 249.58,13.3 249.65,13.35 249.72,13.39 249.78,13.44 249.84,13.49 249.89,13.53 250.28,13.88 250.33,13.92 250.38,13.96 250.44,13.99 250.49,14.02 250.55,14.05 250.61,14.08 250.68,14.11 250.75,14.13 250.83,14.15 250.91,14.17 250.99,14.18 251.08,14.19 251.18,14.19 251.29,14.2
Net-(D70-Pad2) on Top: 130.38,15.99 130.46,15.91 130.52,15.83 130.58,15.76 130.63,15.69 130.68,15.62 130.72,15.56 130.75,15.49 130.78,15.43 130.8,15.36 130.82,15.3 130.84,15.24 130.85,15.18 130.86,15.11 130.87,15.05 130.9,14.53 130.91,14.46 130.92,14.38 130.93,14.31 130.94,14.23 130.96,14.15 130.98,14.06 131,13.98 131.03,13.89 132.66,13.85 132.62,15.48 132.53,15.51 132.45,15.53 132.36,15.55 132.28,15.57 132.2,15.58 132.12,15.59 132.05,15.6 131.98,15.61 131.46,15.64 131.39,15.64 131.33,15.65 131.27,15.67 131.21,15.68 131.15,15.7 131.08,15.73 131.02,15.76 130.95,15.79 130.88,15.83 130.82,15.88 130.75,15.93 130.67,15.99 130.6,16.05 130.52,16.13
Net-(D70-Pad2) on Top: 123.38,14.86 123.3,14.78 123.23,14.72 123.15,14.66 123.08,14.61 123.01,14.56 122.95,14.52 122.88,14.49 122.82,14.46 122.75,14.43 122.69,14.41 122.63,14.4 122.57,14.38 122.51,14.37 122.44,14.37 121.92,14.34 121.85,14.33 121.77,14.32 121.7,14.31 121.62,14.3 121.54,14.28 121.45,14.26 121.37,14.24 121.28,14.21 121.24,12.58 122.87,12.62 122.9,12.71 122.92,12.79 122.94,12.88 122.96,12.96 122.97,13.04 122.98,13.11 122.99,13.19 123,13.26 123.03,13.78 123.03,13.84 123.05,13.91 123.06,13.97 123.07,14.03 123.09,14.09 123.12,14.16 123.15,14.22 123.18,14.29 123.22,14.35 123.27,14.42 123.32,14.49 123.38,14.56 123.44,14.64 123.52,14.72
Net-(D70-Pad2) on Top: 135.98,3.49 135.91,3.56 135.85,3.62 135.8,3.69 135.75,3.75 135.71,3.81 135.68,3.87 135.65,3.93 135.62,3.99 135.6,4.05 135.58,4.1 135.56,4.16 135.55,4.21 135.54,4.27 135.5,4.86 135.49,4.93 135.48,4.99 135.47,5.07 135.45,5.14 135.43,5.21 135.41,5.29 135.38,5.37 133.92,5.4 133.95,3.94 134.03,3.92 134.11,3.89 134.19,3.87 134.26,3.86 134.33,3.85 134.4,3.84 134.47,3.83 135.06,3.79 135.11,3.78 135.17,3.76 135.22,3.75 135.28,3.73 135.34,3.71 135.4,3.68 135.45,3.65 135.51,3.61 135.58,3.57 135.64,3.53 135.7,3.47 135.77,3.41 135.84,3.35
Net-(D70-Pad2) on Top: 142.31,3.35 142.38,3.41 142.45,3.47 142.51,3.53 142.57,3.57 142.64,3.61 142.7,3.65 142.75,3.68 142.81,3.71 142.87,3.73 142.93,3.75 142.98,3.76 143.04,3.78 143.09,3.79 143.68,3.83 143.75,3.84 143.82,3.85 143.89,3.86 143.96,3.87 144.04,3.89 144.11,3.92 144.2,3.94 144.22,5.4 142.76,5.37 142.74,5.29 142.72,5.21 142.7,5.14 142.68,5.07 142.67,4.99 142.66,4.93 142.65,4.86 142.61,4.27 142.6,4.21 142.59,4.16 142.57,4.1 142.55,4.05 142.53,3.99 142.5,3.93 142.47,3.87 142.44,3.81 142.39,3.75 142.35,3.69 142.29,3.62 142.24,3.56 142.17,3.49
Net-(D70-Pad2) on Bottom: 119.2,12.93 119.3,12.92 119.4,12.92 119.49,12.91 119.58,12.9 119.66,12.88 119.74,12.86 119.81,12.84 119.87,12.81 119.93,12.78 119.99,12.75 120.05,12.72 120.1,12.69 120.15,12.65 120.2,12.61 120.59,12.26 120.65,12.22 120.71,12.17 120.77,12.12 120.83,12.08 120.9,12.03 120.98,11.99 121.06,11.94 121.14,11.9 122.31,13.03 121.14,14.15 121.06,14.11 120.98,14.06 120.9,14.02 120.83,13.97 120.77,13.93 120.71,13.88 120.65,13.83 120.59,13.79 120.2,13.44 120.15,13.4 120.1,13.36 120.05,13.33 119.99,13.3 119.93,13.27 119.87,13.24 119.81,13.21 119.74,13.19 119.66,13.17 119.58,13.16 119.49,13.14 119.4,13.13 119.3,13.13 119.2,13.13
Net-(D70-Pad2) on Bottom: 133.48,7.09 133.51,7 133.54,6.91 133.56,6.83 133.57,6.75 133.58,6.68 133.59,6.61 133.59,6.54 133.59,6.48 133.59,6.42 133.58,6.36 133.57,6.3 133.55,6.25 133.54,6.19 133.32,5.64 133.3,5.58 133.28,5.52 133.26,5.45 133.24,5.37 133.23,5.3 133.22,5.22 133.2,5.13 134.51,4.47 135.11,5.8 135.05,5.86 134.99,5.92 134.93,5.97 134.87,6.01 134.81,6.05 134.76,6.09 134.7,6.13 134.19,6.42 134.14,6.46 134.1,6.49 134.05,6.53 134.01,6.57 133.97,6.61 133.93,6.66 133.89,6.72 133.85,6.77 133.81,6.84 133.77,6.91 133.74,6.98 133.7,7.07 133.67,7.16
Net-(D70-Pad2) on Bottom: 133.43,10.54 133.44,10.64 133.46,10.74 133.48,10.83 133.5,10.92 133.52,11 133.55,11.07 133.58,11.14 133.61,11.2 133.64,11.26 133.68,11.31 133.71,11.37 133.75,11.42 133.8,11.46 133.84,11.51 134.22,11.86 134.27,11.92 134.33,11.97 134.38,12.03 134.43,12.09 134.48,12.15 134.53,12.22 134.58,12.3 134.64,12.38 133.63,13.65 132.4,12.59 132.43,12.5 132.47,12.42 132.51,12.34 132.54,12.26 132.58,12.2 132.62,12.13 132.66,12.07 132.71,12.01 133.02,11.59 133.05,11.53 133.08,11.48 133.11,11.42 133.14,11.37 133.16,11.3 133.18,11.24 133.2,11.17 133.22,11.1 133.23,11.02 133.24,10.94 133.24,10.85 133.24,10.76 133.24,10.66 133.23,10.56

Small or netless copper shapes (teardrops, artwork), in the pictures only: 42 on Top, 248 on Bottom
